# KiCad board output.Panel_R0.5.1_300x300_2layer_step1_Modified_1and5_only.kicad_pcb (continued)
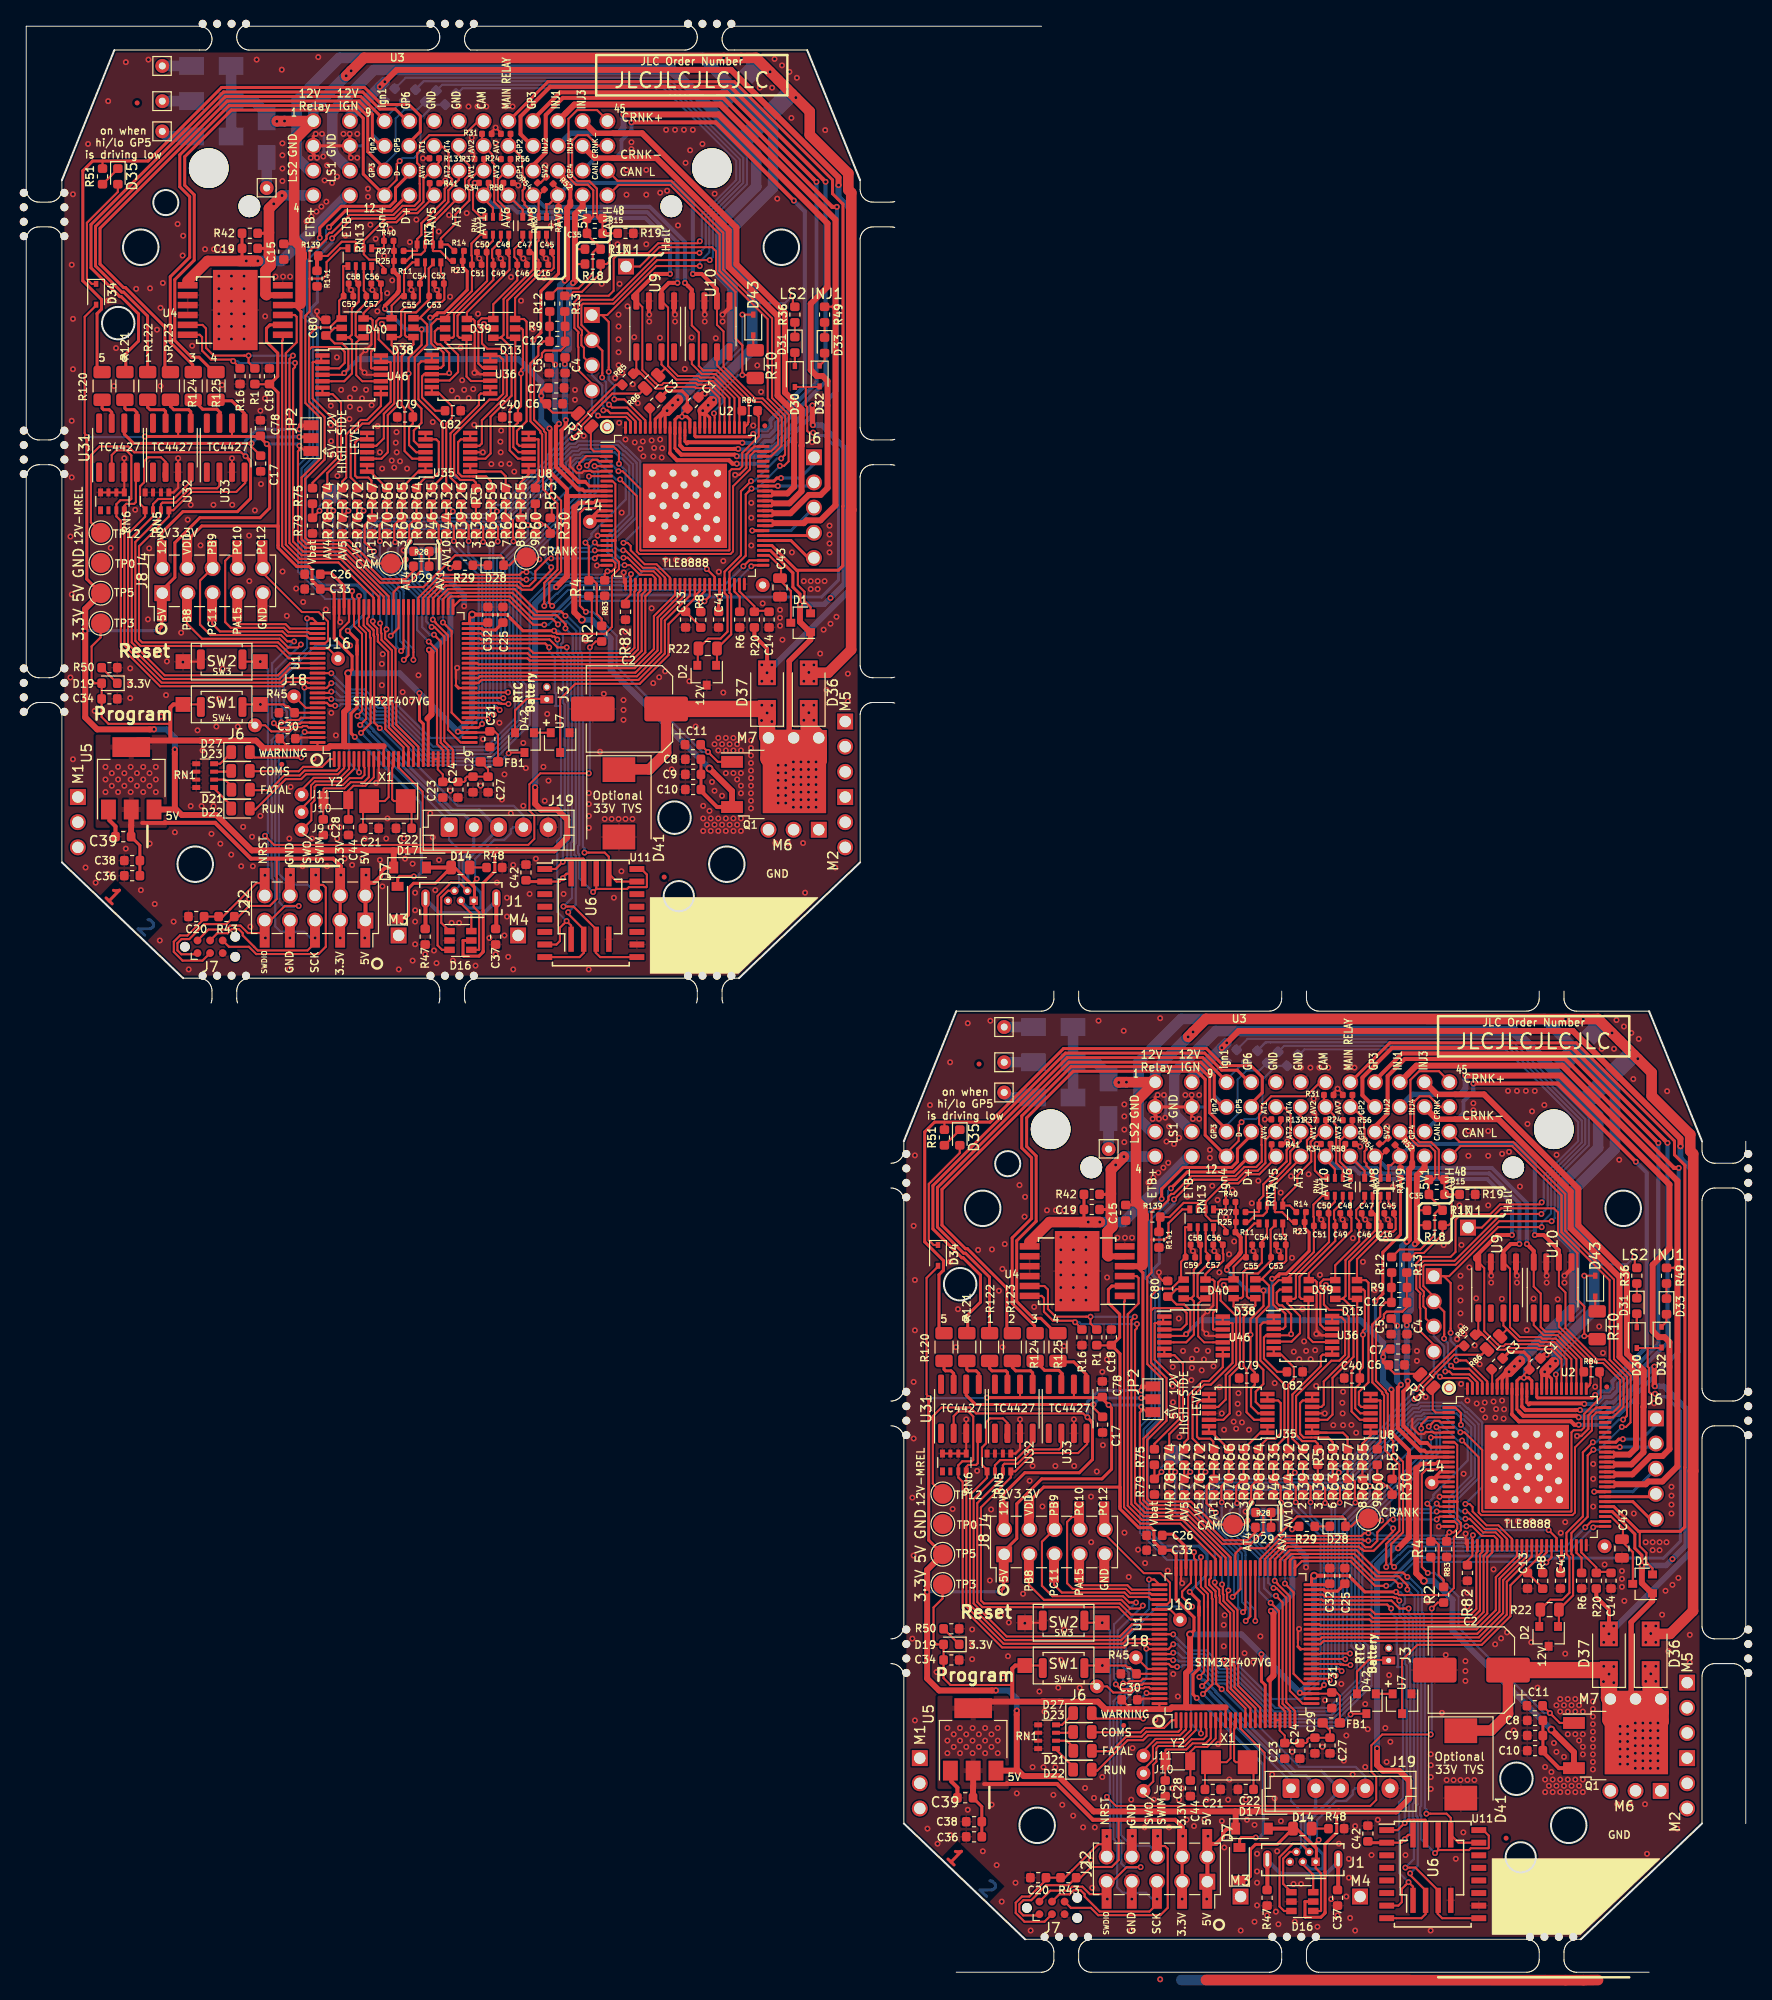
[diagram p0: board, top side]
## Placement (name value [footprint] x y rotation side) (continued)
R39  10K  [R_0603_1608Metric]  43.9 146 90 top
R39#2  10K  [R_0603_1608Metric]  128.9 49 90 top
R40  DNP  [R_0402_1005Metric]  36.59 174.74 0 top
R40#2  DNP  [R_0402_1005Metric]  121.59 77.74 0 top
R41  470K  [R_0402_1005Metric]  41.22 180.56 0 top
R41#2  470K  [R_0402_1005Metric]  126.22 83.56 0 top
R42  4.7K  [R_0603_1608Metric]  22.57 175.51 0 top
R42#2  4.7K  [R_0603_1608Metric]  107.57 78.51 0 top
R43  10K  [R_0603_1608Metric]  20.21 106.55 180 top
R43#2  10K  [R_0603_1608Metric]  105.21 9.55 180 top
R44  10K  [R_0603_1608Metric]  42.4 146 90 top
R44#2  10K  [R_0603_1608Metric]  127.4 49 90 top
R45  10K  [R_0603_1608Metric]  26.3 127.12 180 top
R45#2  10K  [R_0603_1608Metric]  111.3 30.12 180 top
R46  10K  [R_0603_1608Metric]  40.9 146 90 top
R46#2  10K  [R_0603_1608Metric]  125.9 49 90 top
R47  100K  [R_0603_1608Metric]  40.28 104.51 270 top
R47#2  100K  [R_0603_1608Metric]  125.28 7.51 270 top
R48  2.2k  [R_0603_1608Metric]  47.26 111.5 180 top
R48#2  2.2k  [R_0603_1608Metric]  132.26 14.5 180 top
R49  1k  [R_0603_1608Metric]  80.6 167.3 90 top
R49#2  1k  [R_0603_1608Metric]  165.6 70.3 90 top
R50  1k  [R_0603_1608Metric]  8.4 131.67 180 top
R50#2  1k  [R_0603_1608Metric]  93.4 34.67 180 top
R51  1k  [R_0603_1608Metric]  7.7 181.25 90 top
R51#2  1k  [R_0603_1608Metric]  92.7 84.25 90 top
R52  470K  [R_0402_1005Metric]  52.85 180.84 135 top
R52#2  470K  [R_0402_1005Metric]  137.85 83.84 135 top
R53  6.8K  [R_0603_1608Metric]  51.4 149 90 top
R53#2  6.8K  [R_0603_1608Metric]  136.4 52 90 top
R54  470K  [R_0402_1005Metric]  51.96 180.26 135 top
R54#2  470K  [R_0402_1005Metric]  136.96 83.26 135 top
R55  6.8K  [R_0603_1608Metric]  49.9 149 90 top
R55#2  6.8K  [R_0603_1608Metric]  134.9 52 90 top
R56  470K  [R_0402_1005Metric]  48.41 185.54 180 top
R56#2  470K  [R_0402_1005Metric]  133.41 88.54 180 top
R57  6.8K  [R_0603_1608Metric]  48.4 149 90 top
R57#2  6.8K  [R_0603_1608Metric]  133.4 52 90 top
R58  470K  [R_0402_1005Metric]  48.66 180.59 0 top
R58#2  470K  [R_0402_1005Metric]  133.66 83.59 0 top
R59  6.8K  [R_0603_1608Metric]  46.9 149 90 top
R59#2  6.8K  [R_0603_1608Metric]  131.9 52 90 top
R60  10K  [R_0603_1608Metric]  51.4 146 90 top
R60#2  10K  [R_0603_1608Metric]  136.4 49 90 top
R61  10K  [R_0603_1608Metric]  49.9 146 90 top
R61#2  10K  [R_0603_1608Metric]  134.9 49 90 top
R62  10K  [R_0603_1608Metric]  48.4 146 90 top
R62#2  10K  [R_0603_1608Metric]  133.4 49 90 top
R63  10K  [R_0603_1608Metric]  46.9 146 90 top
R63#2  10K  [R_0603_1608Metric]  131.9 49 90 top
R64  6.8K  [R_0603_1608Metric]  39.4 149 90 top
R64#2  6.8K  [R_0603_1608Metric]  124.4 52 90 top
R65  6.8K  [R_0603_1608Metric]  37.9 149 90 top
R65#2  6.8K  [R_0603_1608Metric]  122.9 52 90 top
R66  6.8K  [R_0603_1608Metric]  36.4 149 90 top
R66#2  6.8K  [R_0603_1608Metric]  121.4 52 90 top
R67  6.8K  [R_0603_1608Metric]  34.9 149 90 top
R67#2  6.8K  [R_0603_1608Metric]  119.9 52 90 top
R68  10K  [R_0603_1608Metric]  39.4 146 90 top
R68#2  10K  [R_0603_1608Metric]  124.4 49 90 top
R69  10K  [R_0603_1608Metric]  37.9 146 90 top
R69#2  10K  [R_0603_1608Metric]  122.9 49 90 top
R70  10K  [R_0603_1608Metric]  36.4 146 90 top
R70#2  10K  [R_0603_1608Metric]  121.4 49 90 top
R71  10K  [R_0603_1608Metric]  34.9 146 90 top
R71#2  10K  [R_0603_1608Metric]  119.9 49 90 top
R72  6.8K  [R_0603_1608Metric]  33.4 149 90 top
R72#2  6.8K  [R_0603_1608Metric]  118.4 52 90 top
R73  6.8K  [R_0603_1608Metric]  31.9 149 90 top
R73#2  6.8K  [R_0603_1608Metric]  116.9 52 90 top
R74  6.8K  [R_0603_1608Metric]  30.4 149 90 top
R74#2  6.8K  [R_0603_1608Metric]  115.4 52 90 top
R75  6.8K  [R_0603_1608Metric]  28.9 149 90 top
R75#2  6.8K  [R_0603_1608Metric]  113.9 52 90 top
R76  10K  [R_0603_1608Metric]  33.4 146 90 top
R76#2  10K  [R_0603_1608Metric]  118.4 49 90 top
R77  10K  [R_0603_1608Metric]  31.9 146 90 top
R77#2  10K  [R_0603_1608Metric]  116.9 49 90 top
R78  10K  [R_0603_1608Metric]  30.4 146 90 top
R78#2  10K  [R_0603_1608Metric]  115.4 49 90 top
R79  10K  [R_0603_1608Metric]  28.9 146 90 top
R79#2  10K  [R_0603_1608Metric]  113.9 49 90 top
R80  0R  [R_0603_1608Metric]  40.84 189.34 45 bottom
R80#2  0R  [R_0603_1608Metric]  125.84 92.34 45 bottom
R81  0R  [R_0603_1608Metric]  42.84 189.04 45 bottom
R81#2  0R  [R_0603_1608Metric]  127.84 92.04 45 bottom
R82  4.7K  [R_0603_1608Metric]  60.5 137.3 270 top
R82#2  4.7K  [R_0603_1608Metric]  145.5 40.3 270 top
R83  4.7K  [R_0603_1608Metric]  58.4 139.7 270 top
R83#2  4.7K  [R_0603_1608Metric]  143.4 42.7 270 top
R84  0R  [R_0603_1608Metric]  73.04 157.6 0 top
R84#2  0R  [R_0603_1608Metric]  158.04 60.6 0 top
R85  0R  [R_0603_1608Metric]  60.72 160.77 225 top
R85#2  0R  [R_0603_1608Metric]  145.72 63.77 225 top
R86  0R  [R_0805_2012Metric]  148.14 63.52 225 top
R86#2  0R  [R_0805_2012Metric]  63.14 160.52 225 top
R120  100  [R_1206_3216Metric]  7.66 160.1 270 top
R120#2  100  [R_1206_3216Metric]  92.66 63.1 270 top
R121  100  [R_1206_3216Metric]  9.96 160.1 270 top
R121#2  100  [R_1206_3216Metric]  94.96 63.1 270 top
R122  100  [R_1206_3216Metric]  12.26 160.1 270 top
R122#2  100  [R_1206_3216Metric]  97.26 63.1 270 top
R123  100  [R_1206_3216Metric]  14.56 160.1 270 top
R123#2  100  [R_1206_3216Metric]  99.56 63.1 270 top
R124  100  [R_1206_3216Metric]  16.86 160.1 270 top
R124#2  100  [R_1206_3216Metric]  101.86 63.1 270 top
R125  100  [R_1206_3216Metric]  19.16 160.1 270 top
R125#2  100  [R_1206_3216Metric]  104.16 63.1 270 top
R131  470K  [R_0402_1005Metric]  41.19 183.08 180 top
R131#2  470K  [R_0402_1005Metric]  126.19 86.08 180 top
R139  39k  [R_0603_1608Metric]  28.69 173.22 180 top
R139#2  39k  [R_0603_1608Metric]  113.69 76.22 180 top
R141  10K  [R_0603_1608Metric]  29.36 170.93 270 top
R141#2  10K  [R_0603_1608Metric]  114.35 73.93 270 top
RN1  1k  [R_Array_Convex_4x0603]  18.06 120.77 180 top
RN1#2  1k  [R_Array_Convex_4x0603]  103.06 23.77 180 top
RN2  10k  [R_Array_Convex_4x0603]  51.33 176.27 270 top
RN2#2  10k  [R_Array_Convex_4x0603]  136.33 79.27 270 top
RN3  10k  [R_Array_Convex_4x0603]  40.66 173.47 270 top
RN3#2  10k  [R_Array_Convex_4x0603]  125.66 76.47 270 top
RN4  10k  [R_Array_Convex_4x0603]  47.52 176.27 270 top
RN4#2  10k  [R_Array_Convex_4x0603]  132.52 79.27 270 top
RN5  10k  [R_Array_Convex_4x0603]  13.2 148.45 270 top
RN5#2  10k  [R_Array_Convex_4x0603]  98.2 51.45 270 top
RN6  10k  [R_Array_Convex_4x0603]  8.7 148.45 270 top
RN6#2  10k  [R_Array_Convex_4x0603]  93.7 51.45 270 top
RN13  10k  [R_Array_Convex_4x0603]  33.67 173.09 270 top
RN13#2  10k  [R_Array_Convex_4x0603]  118.67 76.09 270 top
SW1  SW_Push  [SW_SPST_CK_RS282G05A3]  19.73 127.96 0 top
SW1#2  SW_Push  [SW_SPST_CK_RS282G05A3]  104.73 30.96 0 top
SW2  SW_Push  [SW_SPST_CK_RS282G05A3]  19.73 132.28 180 top
SW2#2  SW_Push  [SW_SPST_CK_RS282G05A3]  104.73 35.28 180 top
SW3  SW_Push  [SW_Push_SPST_NO_Alps_SKRK]  19.73 132.5 180 top
SW3#2  SW_Push  [SW_Push_SPST_NO_Alps_SKRK]  104.73 35.5 180 top
SW4  SW_Push  [SW_Push_SPST_NO_Alps_SKRK]  19.73 127.7 0 top
SW4#2  SW_Push  [SW_Push_SPST_NO_Alps_SKRK]  104.73 30.7 0 top
TP0  GND  [TestPoint_Pad_D2.0mm]  7.54 142.23 0 top
TP0#2  GND  [TestPoint_Pad_D2.0mm]  92.54 45.23 0 top
TP1  TP  [TestPoint_Pad_D2.0mm]  30.88 149.22 0 bottom
TP1#2  TP  [TestPoint_Pad_D2.0mm]  115.88 52.22 0 bottom
TP2  TP  [TestPoint_Pad_D2.0mm]  36.82 142.18 0 top
TP2#2  TP  [TestPoint_Pad_D2.0mm]  121.82 45.18 0 top
TP3  GND  [TestPoint_Pad_D2.0mm]  7.54 136.14 0 top
TP3#2  GND  [TestPoint_Pad_D2.0mm]  92.54 39.14 0 top
TP4  TP  [TestPoint_Pad_D2.0mm]  50.5 142.8 0 top
TP4#2  TP  [TestPoint_Pad_D2.0mm]  135.5 45.8 0 top
TP5  5V  [TestPoint_Pad_D2.0mm]  7.54 139.18 0 top
TP5#2  5V  [TestPoint_Pad_D2.0mm]  92.54 42.18 0 top
TP12  5V  [TestPoint_Pad_D2.0mm]  7.54 145.28 0 top
TP12#2  5V  [TestPoint_Pad_D2.0mm]  92.54 48.28 0 top
U1  STM32F407VGT6  [LQFP-100_14x14mm_P0.5mm]  37.09 130.12 90 top
U1#2  STM32F407VGT6  [LQFP-100_14x14mm_P0.5mm]  122.09 33.12 90 top
U2  TLE8888QK  [LQFP-100_14x14mm_P0.5mm_THERMAL]  66.5 148 0 top
U2#2  TLE8888QK  [LQFP-100_14x14mm_P0.5mm_THERMAL]  151.5 51 0 top
U3  molex_48pin_MRE  [Molex_48_MRE]  28.93 186.83 0 top
U3#2  molex_48pin_MRE  [Molex_48_MRE]  113.93 89.83 0 top
U4  TLE9201SG  [Infineon_PG-DSO-12-11]  21.1 167.76 180 top
U4#2  TLE9201SG  [Infineon_PG-DSO-12-11]  106.1 70.76 180 top
U5  LM1117-3.3  [SOT-223-3_TabPin2]  10.6 120.5 90 top
U5#2  LM1117-3.3  [SOT-223-3_TabPin2]  95.6 23.5 90 top
U6  W25Q128JVSIQ  [SO-8_5.3x6.2mm_P1.27mm-150+208]  56.91 107.56 90 top
U6#2  W25Q128JVSIQ  [SO-8_5.3x6.2mm_P1.27mm-150+208]  141.91 10.56 90 top
U7  XC6206 3.3V  [SOT-23]  53.9 124.1 270 top
U7#2  XC6206 3.3V  [SOT-23]  138.9 27.1 270 top
U8  MCP6004  [TSSOP-14_4.4x5mm_P0.65mm]  47.77 153.41 180 top
U8#2  MCP6004  [TSSOP-14_4.4x5mm_P0.65mm]  132.77 56.41 180 top
U9  VNLD5090  [SO-8_3.9x4.9mm_P1.27mm]  63.5 166.1 90 top
U9#2  VNLD5090  [SO-8_3.9x4.9mm_P1.27mm]  148.5 69.1 90 top
U10  VNLD5090  [SO-8_3.9x4.9mm_P1.27mm]  69.1 166.1 90 top
U10#2  VNLD5090  [SO-8_3.9x4.9mm_P1.27mm]  154.1 69.1 90 top
U11  IS25LP256D-xM  [SOIC-16W_7.5x10.3mm_P1.27mm]  57 106.9 0 top
U11#2  IS25LP256D-xM  [SOIC-16W_7.5x10.3mm_P1.27mm]  142 9.9 0 top
U31  MIC4427  [SOIC-8_3.9x4.9mm_P1.27mm]  9.26 153.87 90 top
U31#2  MIC4427  [SOIC-8_3.9x4.9mm_P1.27mm]  94.26 56.87 90 top
U32  MIC4427  [SOIC-8_3.9x4.9mm_P1.27mm]  14.7 153.87 90 top
U32#2  MIC4427  [SOIC-8_3.9x4.9mm_P1.27mm]  99.7 56.87 90 top
U33  MIC4427  [SOIC-8_3.9x4.9mm_P1.27mm]  20.13 153.87 90 top
U33#2  MIC4427  [SOIC-8_3.9x4.9mm_P1.27mm]  105.13 56.87 90 top
U35  MCP6004  [TSSOP-14_4.4x5mm_P0.65mm]  37.36 153.41 180 top
U35#2  MCP6004  [TSSOP-14_4.4x5mm_P0.65mm]  122.36 56.41 180 top
U36  MCP6004  [TSSOP-14_4.4x5mm_P0.65mm]  43.89 161.28 0 top
U36#2  MCP6004  [TSSOP-14_4.4x5mm_P0.65mm]  128.89 64.28 0 top
U46  MCP6004  [TSSOP-14_4.4x5mm_P0.65mm]  32.85 161.22 0 top
U46#2  MCP6004  [TSSOP-14_4.4x5mm_P0.65mm]  117.85 64.22 0 top
X1  8MHz 20pF  [Crystal_SMD_5032-2Pin_5.0x3.2mm]  36.47 118.2 180 top
X1#2  8MHz 20pF  [Crystal_SMD_5032-2Pin_5.0x3.2mm]  121.47 21.2 180 top
Y2  32768 Hz  [Crystal_SMD_3215-2Pin_3.2x1.5mm]  31.26 118.3 180 top
Y2#2  32768 Hz  [Crystal_SMD_3215-2Pin_3.2x1.5mm]  116.26 21.3 180 top

## Footprints (pads in the part's own frame, mm; a bottom-side part is the same pattern mirrored in y, then rotated)
C_0402_1005Metric
  rrect 0.59x0.64 smd: 1(-0.485,0) 2(0.485,0)
C_0603_1608Metric
  rrect 0.875x0.95 smd: 1(-0.788,0) 2(0.788,0)
C_0805_2012Metric
  rrect 0.975x1.4 smd: 1(-0.938,0) 2(0.938,0)
CP_Elec_8x10.5
  rrect 4.4x2.5 smd: 1(-3.7,0) 2(3.7,0)
Crystal_SMD_3215-2Pin_3.2x1.5mm
  rect 1x1.8 smd: 1(1.25,0) 2(-1.25,0)
Crystal_SMD_5032-2Pin_5.0x3.2mm
  rect 2x2.4 smd: 1(-1.85,0) 2(1.85,0)
D_SMA
  rect 2.5x1.8 smd: 1(-2,0) 2(2,0)
D_SMC
  rect 2.5x3.3 smd: 1(-3.4,0) 2(3.4,0)
D_SOD-123
  rect 0.9x1.2 smd: 1(-1.65,0) 2(1.65,0)
D_SOD-323
  rect 0.6x0.45 smd: 1(-1.05,0) 2(1.05,0)
Fiducial_0.5mm_Mask1mm
  round 0.5 smd: (0,0)
holes
  round 0.8 hole 0.8 unplated: (0,4.376) (0,2.917) (0,1.459) (0,0)
holes#2
  round 0.8 hole 0.8 unplated: (0,0) (1.459,0) (2.917,0) (4.376,0)
holes#3
  round 0.8 hole 0.8 unplated: (0,0) (0,-1.458) (0,-2.917) (0,-4.375)
Infineon_PG-DSO-12-11
  rect 1.95x1.16 smd: (-1.125,2.92) (-1.125,1.46) (-1.125,0) (-1.125,-1.46) (-1.125,-2.92) (1.125,2.92) (1.125,1.46) (1.125,0) (1.125,-1.46) (1.125,-2.92)
  rect 2x0.65 smd: 1(-4.8,2.5) 2(-4.8,1.5) 3(-4.8,0.5) 4(-4.8,-0.5) 5(-4.8,-1.5) 6(-4.8,-2.5) 7(4.8,-2.5) 8(4.8,-1.5) 9(4.8,-0.5) 10(4.8,0.5) 11(4.8,1.5) 12(4.8,2.5)
  rect 4.5x8.1 smd: 13(0,0)
JST_EH_B5B-EH-A_1x05_P2.50mm_Vertical
  rrect 1.7x1.95 hole 0.95: 1(0,0)
  oval 1.7x1.95 hole 0.95: 2(2.5,0) 3(5,0) 4(7.5,0) 5(10,0)
LED_0603_1608Metric
  rrect 0.875x0.95 smd: 1(-0.787,0) 2(0.787,0)
LED_0805_2012Metric
  rrect 0.975x1.4 smd: 1(-0.938,0) 2(0.938,0)
LQFP-100_14x14mm_P0.5mm
  rrect 1.6x0.3 smd: 1(-7.675,6) 2(-7.675,5.5) 3(-7.675,5) 4(-7.675,4.5) 5(-7.675,4) 6(-7.675,3.5) 7(-7.675,3) 8(-7.675,2.5) 9(-7.675,2) 10(-7.675,1.5) 11(-7.675,1) 12(-7.675,0.5) 13(-7.675,0) 14(-7.675,-0.5) 15(-7.675,-1) 16(-7.675,-1.5) 17(-7.675,-2) 18(-7.675,-2.5) 19(-7.675,-3) 20(-7.675,-3.5) 21(-7.675,-4) 22(-7.675,-4.5) 23(-7.675,-5) 24(-7.675,-5.5) 25(-7.675,-6) 51(7.675,-6) 52(7.675,-5.5) 53(7.675,-5) 54(7.675,-4.5) 55(7.675,-4) 56(7.675,-3.5) 57(7.675,-3) 58(7.675,-2.5) 59(7.675,-2) 60(7.675,-1.5) 61(7.675,-1) 62(7.675,-0.5) 63(7.675,0) 64(7.675,0.5) 65(7.675,1) 66(7.675,1.5) 67(7.675,2) 68(7.675,2.5) 69(7.675,3) 70(7.675,3.5) 71(7.675,4) 72(7.675,4.5) 73(7.675,5) 74(7.675,5.5) 75(7.675,6)
  rrect 0.3x1.6 smd: 26(-6,-7.675) 27(-5.5,-7.675) 28(-5,-7.675) 29(-4.5,-7.675) 30(-4,-7.675) 31(-3.5,-7.675) 32(-3,-7.675) 33(-2.5,-7.675) 34(-2,-7.675) 35(-1.5,-7.675) 36(-1,-7.675) 37(-0.5,-7.675) 38(0,-7.675) 39(0.5,-7.675) 40(1,-7.675) 41(1.5,-7.675) 42(2,-7.675) 43(2.5,-7.675) 44(3,-7.675) 45(3.5,-7.675) 46(4,-7.675) 47(4.5,-7.675) 48(5,-7.675) 49(5.5,-7.675) 50(6,-7.675) 76(6,7.675) 77(5.5,7.675) 78(5,7.675) 79(4.5,7.675) 80(4,7.675) 81(3.5,7.675) 82(3,7.675) 83(2.5,7.675) 84(2,7.675) 85(1.5,7.675) 86(1,7.675) 87(0.5,7.675) 88(0,7.675) 89(-0.5,7.675) 90(-1,7.675) 91(-1.5,7.675) 92(-2,7.675) 93(-2.5,7.675) 94(-3,7.675) 95(-3.5,7.675) 96(-4,7.675) 97(-4.5,7.675) 98(-5,7.675) 99(-5.5,7.675) 100(-6,7.675)
LQFP-100_14x14mm_P0.5mm_THERMAL
  rrect 1.25x0.3 smd: 1(-7.9,6) 2(-7.9,5.5) 3(-7.9,5) 4(-7.9,4.5) 5(-7.9,4) 6(-7.9,3.5) 7(-7.9,3) 8(-7.9,2.5) 9(-7.9,2) 10(-7.9,1.5) 11(-7.9,1) 12(-7.9,0.5) 13(-7.9,0) 14(-7.9,-0.5) 15(-7.9,-1) 16(-7.9,-1.5) 17(-7.9,-2) 18(-7.9,-2.5) 19(-7.9,-3) 20(-7.9,-3.5) 21(-7.9,-4) 22(-7.9,-4.5) 23(-7.9,-5) 24(-7.9,-5.5) 25(-7.9,-6) 51(7.9,-6) 52(7.9,-5.5) 53(7.9,-5) 54(7.9,-4.5) 55(7.9,-4) 56(7.9,-3.5) 57(7.9,-3) 58(7.9,-2.5) 59(7.9,-2) 60(7.9,-1.5) 61(7.9,-1) 62(7.9,-0.5) 63(7.9,0) 64(7.9,0.5) 65(7.9,1) 66(7.9,1.5) 67(7.9,2) 68(7.9,2.5) 69(7.9,3) 70(7.9,3.5) 71(7.9,4) 72(7.9,4.5) 73(7.9,5) 74(7.9,5.5) 75(7.9,6)
  rrect 0.3x1.25 smd: 26(-6,-7.9) 27(-5.5,-7.9) 28(-5,-7.9) 29(-4.5,-7.9) 30(-4,-7.9) 31(-3.5,-7.9) 32(-3,-7.9) 33(-2.5,-7.9) 34(-2,-7.9) 35(-1.5,-7.9) 36(-1,-7.9) 37(-0.5,-7.9) 38(0,-7.9) 39(0.5,-7.9) 40(1,-7.9) 41(1.5,-7.9) 42(2,-7.9) 43(2.5,-7.9) 44(3,-7.9) 45(3.5,-7.9) 46(4,-7.9) 47(4.5,-7.9) 48(5,-7.9) 49(5.5,-7.9) 50(6,-7.9) 76(6,7.9) 77(5.5,7.9) 78(5,7.9) 79(4.5,7.9) 80(4,7.9) 81(3.5,7.9) 82(3,7.9) 83(2.5,7.9) 84(2,7.9) 85(1.5,7.9) 86(1,7.9) 87(0.5,7.9) 88(0,7.9) 89(-0.5,7.9) 90(-1,7.9) 91(-1.5,7.9) 92(-2,7.9) 93(-2.5,7.9) 94(-3,7.9) 95(-3.5,7.9) 96(-4,7.9) 97(-4.5,7.9) 98(-5,7.9) 99(-5.5,7.9) 100(-6,7.9)
  round 1 hole 0.7: 101(-3.302,3.302) 101(-3.302,1.016) 101(-3.302,-1.27) 101(-3.302,-3.302) 101(-2.2,0) 101(-2.032,2.032) 101(-2.032,-2.032) 101(-1.2,3.3) 101(-1.2,-3.302) 101(-0.986,1.011) 101(-0.897,-0.968) 101(-0.1,2.1) 101(0,-2.25) 101(0.17,0.023) 101(1,3.3) 101(1.125,1.074) 101(1.2,-3.35) 101(1.29,-1.107) 101(2.2,2.2) 101(2.2,0) 101(2.2,-2.25) 101(3.2,-1.4) 101(3.3,1.1) 101(3.302,3.302) 101(3.302,-3.302)
  rect 8.5x8.5 smd: 101(0,0)
  rect 8.5x8.5 smd far side: 101(0,0)
Molex_48_MRE
  round 4 hole 4: (-10.511,-4.753) (40.289,-4.753)
  round 2.2 hole 2.2: (-6.411,-8.603) (36.189,-8.603)
  round 1.6 hole 1.15: 1(0.039,-0.003) 2(0.039,-2.503) 3(0.039,-5.003) 4(0.039,-7.503) 5(3.739,-0.003) 6(3.739,-2.503) 7(3.739,-5.003) 8(3.739,-7.503) 9(7.239,-0.003) 10(7.239,-2.503) 11(7.239,-5.003) 12(7.239,-7.503) 13(9.739,-0.003) 14(9.739,-2.503) 15(9.739,-5.003) 16(9.739,-7.503) 17(12.239,-0.003) 18(12.239,-2.503) 19(12.239,-5.003) 20(12.239,-7.503) 21(14.739,-0.003) 22(14.739,-2.503) 23(14.739,-5.003) 24(14.739,-7.503) 25(17.239,-0.003) 26(17.239,-2.503) 27(17.239,-5.003) 28(17.239,-7.503) 29(19.739,-0.003) 30(19.739,-2.503) 31(19.739,-5.003) 32(19.739,-7.503) 33(22.239,-0.003) 34(22.239,-2.503) 35(22.239,-5.003) 36(22.239,-7.503) 37(24.739,-0.003) 38(24.739,-2.503) 39(24.739,-5.003) 40(24.739,-7.503) 41(27.239,-0.003) 42(27.239,-2.503) 43(27.239,-5.003) 44(27.239,-7.503) 45(29.739,-0.003) 46(29.739,-2.503) 47(29.739,-5.003) 48(29.739,-7.503) J52(28.169,-22.121) J53(28.169,-24.661) J54(28.169,-27.201) J62(50.59,-36.474) J63(50.59,-39.014) J64(50.59,-41.554) J65(50.59,-44.094) J202(5.304,-78.153) J203(2.764,-80.693) J204(2.764,-78.153) J205(0.224,-80.693) J206(0.224,-78.153) J207(-2.316,-80.693) J208(-2.316,-78.153) J209(-4.856,-80.693) J210(-4.856,-78.153) J802(-15.202,-45.11) J803(-12.662,-47.65) J804(-12.662,-45.11) J805(-10.122,-47.65) J806(-10.122,-45.11) J807(-7.582,-47.65) J808(-7.582,-45.11) J809(-5.042,-47.65) J810(-5.042,-45.11) M12(-23.724,-70.764) M13(-23.724,-73.304) M22(53.746,-70.764) M23(53.746,-73.304) M52(53.746,-63.144) M53(53.746,-65.684) M62(48.539,-71.526) M63(45.999,-71.526) M72(48.539,-62.255) M73(45.999,-62.255)
  round 1.4 hole 0.7: J6(-5.842,-60.985) J9(-1.143,-71.526) J10(-1.143,-69.748) J11(-1.143,-67.97) J14(27.965,-40.434) J16(2.54,-54.254) J18(-1.905,-58.064)
  rect 1.3x0.8 hole 0.5: J31(23.622,-58.369)
  round 1.3 hole 0.5: J32(23.622,-57.125)
  rect 1.6x1.6 hole 1.15: J51(28.169,-19.581) J61(50.59,-33.934) J201(5.304,-80.693) J801(-15.202,-47.65) LIN1(31.623,-14.681) M3(8.661,-82.194) M4(20.726,-82.194) M11(-23.724,-68.224) M21(53.746,-68.224) M51(53.746,-60.604) M61(51.079,-71.526) M71(51.079,-62.255)
Net-Tie_2_8.5mil
  round 0.216 smd: 1(-0.216,0) 2(0.216,0)
NetTie-2_SMD_Pad0.5mm
  round 0.5 smd: 1(-0.5,0) 2(0.5,0)
Pin_D0.7mm_L6.5mm_W1.8mm_FlatFork
  round 1.4 hole 0.7: 1(0,0)
PinHeader_2x05_P2.54mm_Vertical_SMD
  rect 3.15x1 smd: 1(-2.525,5.08) 2(2.525,5.08) 3(-2.525,2.54) 4(2.525,2.54) 5(-2.525,0) 6(2.525,0) 7(-2.525,-2.54) 8(2.525,-2.54) 9(-2.525,-5.08) 10(2.525,-5.08)
PinSocket_2x05_P2.54mm_Vertical_SMD
  rect 3x1 smd: 1(2.52,5.08) 2(-2.52,5.08) 3(2.52,2.54) 4(-2.52,2.54) 5(2.52,0) 6(-2.52,0) 7(2.52,-2.54) 8(-2.52,-2.54) 9(2.52,-5.08) 10(-2.52,-5.08)
R_0402_1005Metric
  rrect 0.59x0.64 smd: 1(-0.485,0) 2(0.485,0)
R_0603_1608Metric
  rrect 0.875x0.95 smd: 1(-0.787,0) 2(0.787,0)
R_0603_1608Metric_Pad1.05x0.95mm_HandSolder
  rrect 1.05x0.95 smd: 1(-0.875,0) 2(0.875,0)
R_0805_2012Metric
  rrect 0.975x1.4 smd: 1(-0.938,0) 2(0.938,0)
R_1206_3216Metric
  rrect 1.25x1.75 smd: 1(-1.4,0) 2(1.4,0)
R_Array_Convex_4x0603
  rect 0.8x0.5 smd: 1(-0.9,1.2) 4(-0.9,-1.2) 5(0.9,-1.2) 8(0.9,1.2)
  rect 0.8x0.4 smd: 2(-0.9,0.4) 3(-0.9,-0.4) 6(0.9,-0.4) 7(0.9,0.4)
SO-8_3.9x4.9mm_P1.27mm
  rrect 1.75x0.6 smd: 1(-2.575,1.905) 2(-2.575,0.635) 3(-2.575,-0.635) 4(-2.575,-1.905) 5(2.575,-1.905) 6(2.575,-0.635) 7(2.575,0.635) 8(2.575,1.905)
SO-8_5.3x6.2mm_P1.27mm-150+208
  rect 2.54x0.55 smd: 1(-3.302,1.905) 2(-3.302,0.635) 3(-3.302,-0.635) 4(-3.302,-1.905) 5(3.302,-1.905) 6(3.302,-0.635) 7(3.302,0.635) 8(3.302,1.905)
SOIC-8_3.9x4.9mm_P1.27mm
  rrect 1.95x0.6 smd: 1(-2.475,1.905) 2(-2.475,0.635) 3(-2.475,-0.635) 4(-2.475,-1.905) 5(2.475,-1.905) 6(2.475,-0.635) 7(2.475,0.635) 8(2.475,1.905)
SOIC-16W_7.5x10.3mm_P1.27mm
  rect 1.5x0.6 smd: 1(-4.65,4.445) 2(-4.65,3.175) 3(-4.65,1.905) 4(-4.65,0.635) 5(-4.65,-0.635) 6(-4.65,-1.905) 7(-4.65,-3.175) 8(-4.65,-4.445) 9(4.65,-4.445) 10(4.65,-3.175) 11(4.65,-1.905) 12(4.65,-0.635) 13(4.65,0.635) 14(4.65,1.905) 15(4.65,3.175) 16(4.65,4.445)
SolderJumper-3_P1.3mm_Open_Pad1.0x1.5mm
  rect 1x1.5 smd: 1(-1.3,0) 2(0,0) 3(1.3,0)
SOT-23
  rect 0.9x0.8 smd: 1(-1,0.95) 2(-1,-0.95) 3(1,0)
SOT-23-6
  rect 1.06x0.65 smd: 1(-1.1,0.95) 2(-1.1,0) 3(-1.1,-0.95) 4(1.1,-0.95) 5(1.1,0) 6(1.1,0.95)
SOT-223-3_TabPin2
  rect 2x1.5 smd: 1(-3.15,2.3) 2(-3.15,0) 3(-3.15,-2.3)
  rect 2x3.8 smd: 2(3.15,0)
SW_Push_SPST_NO_Alps_SKRK
  rrect 0.8x2 smd: 1(-2.1,0) 2(2.1,0)
SW_SPST_CK_RS282G05A3
  rect 1.5x1.5 smd: 1(-3.9,0) 2(3.9,0)
Tag-Connect_TC2030-IDC-NL_2x03_P1.27mm_Vertical
  round 0.991 hole 0.991 unplated: (-2.54,0) (2.54,1.016) (2.54,-1.016)
  round 0.787 smd: 1(-1.27,-0.635) 2(-1.27,0.635) 3(0,-0.635) 4(0,0.635) 5(1.27,-0.635) 6(1.27,0.635)
TestPoint_Pad_D2.0mm
  round 2 smd: 1(0,0)
TO-252-2
  rect 3.05x2.75 smd: (0.425,1.525) (0.425,-1.525) (3.775,1.525) (3.775,-1.525)
  rect 2.2x1.2 smd: 1(-4.2,2.28) 3(-4.2,-2.28)
  rect 6.4x5.8 smd: 2(2.1,0)
TSSOP-14_4.4x5mm_P0.65mm
  rect 1.45x0.45 smd: 1(-2.95,1.95) 2(-2.95,1.3) 3(-2.95,0.65) 4(-2.95,0) 5(-2.95,-0.65) 6(-2.95,-1.3) 7(-2.95,-1.95) 8(2.95,-1.95) 9(2.95,-1.3) 10(2.95,-0.65) 11(2.95,0) 12(2.95,0.65) 13(2.95,1.3) 14(2.95,1.95)
USB_Micro-B_Wuerth_614105150721_Vertical
  rect 0.84x0.84 hole 0.44: 1(0,0)
  round 0.84 hole 0.44: 2(0.65,-1) 3(1.3,0) 4(1.95,-1) 5(2.6,0)
  oval 0.85x1.85 hole 0.35x1.35: 6(-2.275,-0.22) 6(4.875,-0.22)

## Nets
/5V: C6.1 C6#2.1 C7.1 C7#2.1 C40.1 C40#2.1 C41.1 C41#2.1 C78.1 C78#2.1 C79.1 C79#2.1 C80.1 C80#2.1 C82.1 C82#2.1 D13.5 D13#2.5 D16.5 D16#2.5 D17.1 D17#2.1 D29.2 D29#2.2 D30.2 D30#2.2 D32.2 D32#2.2 D34.2 D34#2.2 D38.5 D38#2.5 D39.5 D39#2.5 D40.5 D40#2.5 J2.1 J2.2 J2#2.1 J2#2.2 J4.1 J4#2.1 JP2.1 JP2#2.1 R3.2 R3#2.2 R7.1 R7#2.1 R11.2 R11#2.2 R14.2 R14#2.2 R23.2 R23#2.2 R25.2 R25#2.2 R27.2 R27#2.2 R40.2 R40#2.2 TP5.1 TP5#2.1 U2.11 U2.45 U2#2.11 U2#2.45 U3.J201 U3.J202 U3.J801 U3#2.J201 U3#2.J202 U3#2.J801 U5.3 U5#2.3 U8.4 U8#2.4 U32.6 U32#2.6 U33.6 U33#2.6 U35.4 U35#2.4 U36.4 U36#2.4 U46.4 U46#2.4
/5V1: C4.1 C4#2.1 R17.1 R17#2.1 R18.1 R18#2.1 U2.9 U2#2.9 U3.44 U3#2.44
/5V2: C5.1 C5#2.1 U2.10 U2#2.10 U3.39 U3#2.39
/12V_KEY: D37.2 D37#2.2 R20.2 R20#2.2 U3.5 U3#2.5
/12V_MREL: C15.1 C15#2.1 D3.1 D3#2.1 D4.1 D4#2.1 D5.1 D5#2.1 D6.1 D6#2.1 D15.1 D15#2.1 D20.1 D20#2.1 D36.2 D36#2.2 J4.2 J4#2.2 JP2.3 JP2#2.3 R139.2 R139#2.2 TP12.1 TP12#2.1 U3.1 U3.J802 U3#2.1 U3#2.J802 U4.4 U4#2.4
/12V_SAFE: C1.1 C1#2.1 C2.1 C2#2.1 C3.1 C3#2.1 D1.1 D1#2.1 D36.1 D36#2.1 D37.1 D37#2.1 D41.1 D41#2.1 D43.2 D43#2.2 Q1.2 Q1#2.2 U2.54 U2.87 U2.90 U2#2.54 U2#2.87 U2#2.90 U3.M71 U3.M72 U3.M73 U3#2.M71 U3#2.M72 U3#2.M73
/ADC/AGND: NT3.2 NT3#2.2 R38.1 R38#2.1 R39.1 R39#2.1 R44.1 R44#2.1 R46.1 R46#2.1 R60.1 R60#2.1 R61.1 R61#2.1 R62.1 R62#2.1 R63.1 R63#2.1 R68.1 R68#2.1 R69.1 R69#2.1 R70.1 R70#2.1 R71.1 R71#2.1 R76.1 R76#2.1 R77.1 R77#2.1 R78.1 R78#2.1 R79.1 R79#2.1 U1.20 U1#2.20
/ADC/AV11_MCU: R75.1 R75#2.1 R79.2 R79#2.2 TP1.1 TP1#2.1
/AV1: R37.1 R37#2.1 RN4.4 RN4#2.4 U3.27 U3#2.27
/AV1_MCU: R35.1 R35#2.1 R46.2 R46#2.2 U1.15 U1#2.15
/AV2: R31.1 R31#2.1 RN4.2 RN4#2.2 U3.26 U3#2.26
/AV2_MCU: R26.1 R26#2.1 R39.2 R39#2.2 U1.31 U1#2.31
/AV3: R24.1 R24#2.1 RN4.1 RN4#2.1 U3.31 U3#2.31
/AV3_MCU: R5.1 R5#2.1 R38.2 R38#2.2 U1.32 U1#2.32
/AV4: D7.2 D7#2.2 R11.1 R11#2.1 R131.1 R131#2.1 RN13.2 RN13#2.2 U3.19 U3#2.19
/AV4_MCU: R73.1 R73#2.1 R77.2 R77#2.2 U1.17 U1#2.17
/AV5: R40.1 R40#2.1 R41.1 R41#2.1 RN13.1 RN13#2.1 U3.20 U3#2.20
/AV5_MCU: R72.1 R72#2.1 R76.2 R76#2.2 U1.18 U1#2.18
/AV6: R58.1 R58#2.1 RN2.4 RN2#2.4 U2.78 U2#2.78 U3.32 U3#2.32 U9.6 U9#2.6
/AV6_MCU: R59.1 R59#2.1 R63.2 R63#2.2 R86.2 R86#2.2 U1.33 U1#2.33
/AV7: R56.1 R56#2.1 RN2.3 RN2#2.3 U3.30 U3#2.30
/AV7_MCU: R57.1 R57#2.1 R62.2 R62#2.2 U1.34 U1#2.34
/AV8: R54.1 R54#2.1 RN2.2 RN2#2.2 U2.76 U2#2.76 U3.36 U3#2.36 U10.8 U10#2.8
/AV8_MCU: R55.1 R55#2.1 R61.2 R61#2.2 R84.2 R84#2.2 U1.35 U1#2.35
/AV9: R7.2 R7#2.2 R52.1 R52#2.1 RN2.1 RN2#2.1 U2.73 U2#2.73 U3.40 U3#2.40 U10.6 U10#2.6
/AV9_MCU: R30.2 R30#2.2 R53.1 R53#2.1 R60.2 R60#2.2 U1.36 U1#2.36
/AV10: R34.1 R34#2.1 RN4.3 RN4#2.3 U2.80 U2#2.80 U3.28 U3#2.28 U9.8 U9#2.8
/AV10_MCU: R32.1 R32#2.1 R44.2 R44#2.2 R85.2 R85#2.2 U1.29 U1#2.29
/MCU/VBAT: D42.1 D42#2.1 U7.2 U7#2.2
/MCU/VDDA: C23.2 C23#2.2 C24.2 C24#2.2 C27.2 C27#2.2 C29.2 C29#2.2 FB1.2 FB1#2.2 U1.21 U1.22 U1#2.21 U1#2.22
/TLE8888-1QK/5V_STBY: C13.1 C13#2.1 R8.1 R8#2.1 U2.40 U2.41 U2#2.40 U2#2.41 U7.3 U7#2.3
/TLE8888-1QK/V6GATE: C11.1 C11#2.1 Q1.1 Q1#2.1 U2.13 U2#2.13
/TLE8888-1QK/V6V: C8.1 C8#2.1 C9.1 C9#2.1 C10.1 C10#2.1 Q1.3 Q1#2.3 U2.12 U2#2.12
/Vbat_MCU: R74.1 R74#2.1 R78.2 R78#2.2 U1.16 U1#2.16
/VDD: C18.1 C18#2.1 C30.2 C30#2.2 C31.2 C31#2.2 C32.2 C32#2.2 C33.2 C33#2.2 C34.2 C34#2.2 C36.2 C36#2.2 C38.1 C38#2.1 C39.2 C39#2.2 C42.2 C42#2.2 D19.2 D19#2.2 FB1.1 FB1#2.1 J2.3 J2.4 J2#2.3 J2#2.4 J4.4 J4#2.4 J7.1 J7#2.1 R1.1 R1#2.1 R4.1 R4#2.1 R43.1 R43#2.1 SW1.1 SW1#2.1 SW4.1 SW4#2.1 TP3.1 TP3#2.1 U1.11 U1.19 U1.28 U1.50 U1.75 U1.100 U1#2.11 U1#2.19 U1#2.28 U1#2.50 U1#2.75 U1#2.100 U2.8 U2.20 U2#2.8 U2#2.20 U3.J203 U3.J204 U3.J804 U3#2.J203 U3#2.J204 U3#2.J804 U4.2 U4#2.2 U5.2 U5#2.2 U6.8 U6#2.8 U11.2 U11#2.2
GND: C1.2 C1#2.2 C2.2 C2#2.2 C4.2 C4#2.2 C5.2 C5#2.2 C6.2 C6#2.2 C7.2 C7#2.2 C8.2 C8#2.2 C9.2 C9#2.2 C10.2 C10#2.2 C11.2 C11#2.2 C13.2 C13#2.2 C14.2 C14#2.2 C15.2 C15#2.2 C16.2 C16#2.2 C17.2 C17#2.2 C18.2 C18#2.2 C20.1 C20#2.1 C21.2 C21#2.2 C22.2 C22#2.2 C23.1 C23#2.1 C24.1 C24#2.1 C25.2 C25#2.2 C26.2 C26#2.2 C27.1 C27#2.1 C28.2 C28#2.2 C29.1 C29#2.1 C30.1 C30#2.1 C31.1 C31#2.1 C32.1 C32#2.1 C33.1 C33#2.1 C34.1 C34#2.1 C36.1 C36#2.1 C37.2 C37#2.2 C38.2 C38#2.2 C39.1 C39#2.1 C40.2 C40#2.2 C41.2 C41#2.2 C42.1 C42#2.1 C43.2 C43#2.2 C44.1 C44#2.1 C45.2 C45#2.2 C46.2 C46#2.2 C47.2 C47#2.2 C48.2 C48#2.2 C49.2 C49#2.2 C50.2 C50#2.2 C51.2 C51#2.2 C52.2 C52#2.2 C53.2 C53#2.2 C54.2 C54#2.2 C55.2 C55#2.2 C56.2 C56#2.2 C57.2 C57#2.2 C58.2 C58#2.2 C59.2 C59#2.2 C78.2 C78#2.2 C79.2 C79#2.2 C80.2 C80#2.2 C82.2 C82#2.2 D2.3 D2#2.3 D13.2 D13#2.2 D16.2 D16#2.2 D38.2 D38#2.2 D39.2 D39#2.2 D40.2 D40#2.2 D41.2 D41#2.2 J1.5 J1#2.5 J2.7 J2.8 J2#2.7 J2#2.8 J4.9 J4#2.9 J7.5 J7#2.5 J19.5 J19#2.5 NT2.1 NT2#2.1 NT3.1 NT3#2.1 R6.1 R6#2.1 R16.2 R16#2.2 R19.1 R19#2.1 R24.2 R24#2.2 R29.2 R29#2.2 R31.2 R31#2.2 R34.2 R34#2.2 R37.2 R37#2.2 R41.2 R41#2.2 R45.2 R45#2.2 R47.2 R47#2.2 R48.1 R48#2.1 R50.1 R50#2.1 R52.2 R52#2.2 R54.2 R54#2.2 R56.2 R56#2.2 R58.2 R58#2.2 R82.2 R82#2.2 R83.2 R83#2.2 R131.2 R131#2.2 R141.2 R141#2.2 RN1.5 RN1.6 RN1.7 RN1.8 RN1#2.5 RN1#2.6 RN1#2.7 RN1#2.8 RN5.1 RN5.2 RN5.3 RN5.4 RN5#2.1 RN5#2.2 RN5#2.3 RN5#2.4 RN6.1 RN6.2 RN6.3 RN6.4 RN6#2.1 RN6#2.2 RN6#2.3 RN6#2.4 SW2.2 SW2#2.2 SW3.2 SW3#2.2 TP0.1 TP0#2.1 U1.10 U1.27 U1.74 U1.99 U1#2.10 U1#2.27 U1#2.74 U1#2.99 U2.6 U2.19 U2.25 U2.26 U2.50 U2.75 U2.100 U2.101 U2#2.6 U2#2.19 U2#2.25 U2#2.26 U2#2.50 U2#2.75 U2#2.100 U2#2.101 U3.2 U3.6 U3.17 U3.21 U3.J32 U3.J207 U3.J208 U3.J809 U3#2.2 U3#2.6 U3#2.17 U3#2.21 U3#2.J32 U3#2.J207 U3#2.J208 U3#2.J809 U4.6 U4.8 U4.9 U4.10 U4.13 U4#2.6 U4#2.8 U4#2.9 U4#2.10 U4#2.13 U5.1 U5#2.1 U6.4 U6#2.4 U7.1 U7#2.1 U8.11 U8#2.11 U9.5 U9.7 U9#2.5 U9#2.7 U10.5 U10.7 U10#2.5 U10#2.7 U11.10 U11#2.10 U31.3 U31#2.3 U32.3 U32#2.3 U33.3 U33#2.3 U35.11 U35#2.11 U36.11 U36#2.11 U46.11 U46#2.11
/AT1: R27.1 R27#2.1 RN3.4 RN3#2.4 U3.18 U3#2.18
/AT1_MCU: R67.1 R67#2.1 R71.2 R71#2.2 U1.23 U1#2.23
/AT2: R25.1 R25#2.1 RN3.3 RN3#2.3 U3.23 U3#2.23
/AT2_MCU: R66.1 R66#2.1 R70.2 R70#2.2 U1.24 U1#2.24
/AT3: R23.1 R23#2.1 RN3.2 RN3#2.2 U3.24 U3#2.24
/AT3_MCU: R65.1 R65#2.1 R69.2 R69#2.2 U1.25 U1#2.25
/AT4: R14.1 R14#2.1 RN3.1 RN3#2.1 U3.22 U3#2.22
/AT4_MCU: R64.1 R64#2.1 R68.2 R68#2.2 U1.26 U1#2.26
/CAM_MCU: C59.1 C59#2.1 D40.4 D40#2.4 RN13.5 RN13#2.5 TP2.1 TP2#2.1 U1.30 U1#2.30 U46.3 U46#2.3
/CAM_SENSOR: R28.1 R28#2.1 RN13.4 RN13#2.4 U3.25 U3#2.25
/CANH: D2.2 D2#2.2 R22.1 R22#2.1 U2.46 U2#2.46 U3.48 U3#2.48
/CANL: D2.1 D2#2.1 R22.2 R22#2.2 U2.47 U2#2.47 U3.47 U3#2.47
/CRANK: D28.2 D28#2.2 TP4.1 TP4#2.1 U1.63 U1#2.63 U2.21 U2#2.21
/CRNK+: C35.1 C35#2.1 R12.1 R12#2.1 R15.1 R15#2.1 R17.2 R17#2.2 U3.45 U3#2.45
/CRNK-: C35.2 C35#2.2 R13.1 R13#2.1 R15.2 R15#2.2 R18.2 R18#2.2 R19.2 R19#2.2 U3.46 U3#2.46
/CS_TLE: U1.86 U1#2.86 U2.3 U2#2.3
/E-THROTTLE+: C19.2 C19#2.2 R42.2 R42#2.2 U3.4 U3#2.4 U4.5 U4#2.5
/E-THROTTLE-: C19.1 C19#2.1 R42.1 R42#2.1 U3.8 U3#2.8 U4.7 U4#2.7
/FlashMemory/CS: U1.46 U1#2.46 U6.1 U6#2.1 U11.7 U11#2.7
/FlashMemory/HOLD: U1.48 U1#2.48 U6.7 U6#2.7 U11.1 U11#2.1
/GP1: U2.91 U2#2.91 U3.35 U3#2.35
/GP2: U2.89 U2#2.89 U3.34 U3#2.34
/GP3: U2.88 U2#2.88 U3.33 U3#2.33
/GP4: U2.86 U2#2.86 U3.43 U3#2.43
/GP5: R51.2 R51#2.2 R120.1 R120#2.1 U3.14 U3#2.14
/GP6: R121.1 R121#2.1 U3.13 U3#2.13
/H-BRIDGE/DIR: U1.67 U1#2.67 U4.1 U4#2.1
/H-BRIDGE/DIS: R1.2 R1#2.2 U1.65 U1#2.65 U4.11 U4#2.11
/hi-lo/GP5_MCU: RN6.7 RN6#2.7 U1.88 U1#2.88 U31.2 U31#2.2
/hi-lo/GP6_MCU: RN6.8 RN6#2.8 U1.87 U1#2.87 U31.4 U31#2.4
/hi-lo/Ign1_MCU: RN5.5 RN5#2.5 U1.85 U1#2.85 U32.2 U32#2.2
/hi-lo/Ign2_MCU: RN5.6 RN5#2.6 U1.84 U1#2.84 U32.4 U32#2.4
/hi-lo/Ign3_MCU: RN5.7 RN5#2.7 U1.83 U1#2.83 U33.2 U33#2.2
/hi-lo/Ign4_MCU: RN5.8 RN5#2.8 U1.82 U1#2.82 U33.4 U33#2.4
/Ign1: R21.1 R21#2.1 R122.1 R122#2.1 U3.9 U3#2.9
/Ign2: R33.1 R33#2.1 R123.1 R123#2.1 U3.10 U3#2.10
/Ign3: R80.1 R80#2.1 R124.1 R124#2.1 U3.11 U3#2.11
/Ign4: R81.1 R81#2.1 R125.1 R125#2.1 U3.12 U3#2.12
/INJECTOR-1: R49.2 R49#2.2 U2.59 U2.60 U2#2.59 U2#2.60 U3.37 U3#2.37
/INJECTOR-2: U2.61 U2.62 U2#2.61 U2#2.62 U3.38 U3#2.38
/INJECTOR-3: U2.63 U2.64 U2#2.63 U2#2.64 U3.41 U3#2.41
/INJECTOR-4: U2.65 U2.66 U2#2.65 U2#2.66 U3.42 U3#2.42
/LINBUS: R10.2 R10#2.2 U2.82 U2#2.82 U3.LIN1 U3#2.LIN1
/LS1: D15.2 D15#2.2 U2.92 U2.93 U2.94 U2#2.92 U2#2.93 U2#2.94 U3.7 U3#2.7
/LS2: D20.2 D20#2.2 R36.2 R36#2.2 U2.83 U2.84 U2.85 U2#2.83 U2#2.84 U2#2.85 U3.3 U3#2.3
/MAIN_RELAY: D1.2 D1#2.2 U2.55 U2#2.55 U3.29 U3#2.29
/MCU/BOOT0: R45.1 R45#2.1 SW1.2 SW1#2.2 SW4.2 SW4#2.2 U1.94 U1#2.94
/MCU/PA10: D16.1 D16#2.1 J1.4 J1#2.4 J19.1 J19#2.1 U1.69 U1#2.69
/MCU/PA13: J2.9 J2#2.9 J7.2 J7#2.2 U1.72 U1#2.72 U3.J209 U3#2.J209
/MCU/PA14: J2.5 J2#2.5 J7.4 J7#2.4 U1.76 U1#2.76 U3.J205 U3#2.J205
/MCU/PB2-BOOT1: NT2.2 NT2#2.2 U1.37 U1#2.37
/MCU/PB7: U1.93 U1#2.93 U3.J18 U3#2.J18
/MCU/PB10: U1.47 U1#2.47 U6.3 U6#2.3 U11.9 U11#2.9
/MCU/PB13: U1.52 U1#2.52 U6.6 U6#2.6 U11.16 U11#2.16
/MCU/PB14: U1.53 U1#2.53 U6.2 U6#2.2 U11.8 U11#2.8
/MCU/PB15: U1.54 U1#2.54 U6.5 U6#2.5 U11.15 U11#2.15
/MCU/PC7: R16.1 R16#2.1 U1.64 U1#2.64 U4.12 U4#2.12
/MCU/PC9: U1.66 U1#2.66 U4.3 U4#2.3
/MCU/PC13: U1.7 U1#2.7 U3.J9 U3#2.J9
/MCU/PD0: U1.81 U1#2.81 U3.J16 U3#2.J16
/MCU/PE0: U1.97 U1#2.97 U3.J6 U3#2.J6
/MCU/PE5: U1.4 U1#2.4 U3.J11 U3#2.J11
/MCU/PE6: U1.5 U1#2.5 U3.J10 U3#2.J10
/MCU/shield: C37.1 C37#2.1 J1.6 J1#2.6 R47.1 R47#2.1
/MCU/USB_VBUS: D7.1 D7#2.1 D14.2 D14#2.2 D16.4 D16#2.4 D17.2 D17#2.2 J1.1 J1#2.1 J19.4 J19#2.4 NT1.2 NT1#2.2
/MCU/Vrtc: D42.2 D42#2.2 U3.J31 U3#2.J31
/MCU/Vrtcc: D42.3 D42#2.3 U1.6 U1#2.6
/PA15: J4.7 J4#2.7 U1.77 U1#2.77 U3.J807 U3#2.J807
/PB8: J4.3 J4#2.3 U1.95 U1#2.95 U3.J803 U3#2.J803
/PB9: J4.6 J4#2.6 U1.96 U1#2.96 U3.J806 U3#2.J806
/PC10: J4.8 J4#2.8 U1.78 U1#2.78 U3.J808 U3#2.J808
/PC11: J4.5 J4#2.5 U1.79 U1#2.79 U3.J805 U3#2.J805
/PC12: J4.10 J4#2.10 U1.80 U1#2.80 U3.J810 U3#2.J810
/PD12: U1.59 U1#2.59 U2.32 U2#2.32
/PD13: U1.60 U1#2.60 U2.33 U2#2.33
/PD14: U1.61 U1#2.61 U2.34 U2#2.34
/PD15: U1.62 U1#2.62 U2.35 U2#2.35
/PE1: D27.2 D27#2.2 U1.98 U1#2.98
/PE2: D23.2 D23#2.2 U1.1 U1#2.1
/PE3: D21.2 D21#2.2 U1.2 U1#2.2
/PE4: D22.2 D22#2.2 U1.3 U1#2.3
/RST: C20.2 C20#2.2 J2.10 J2#2.10 J7.3 J7#2.3 R2.2 R2#2.2 R43.2 R43#2.2 SW2.1 SW2#2.1 SW3.1 SW3#2.1 U1.14 U1#2.14 U3.J210 U3#2.J210
/SCK: J2.6 J2#2.6 J7.6 J7#2.6 U1.89 U1#2.89 U2.7 U2#2.7 U3.J206 U3#2.J206
/SI: U1.91 U1#2.91 U2.5 U2#2.5
/SO: U1.90 U1#2.90 U2.4 U2#2.4
/TLE8888-1QK/BAT_STBY: C43.1 C43#2.1 D1.3 D1#2.3 U2.53 U2#2.53
/TLE8888-1QK/CAN_RX: U1.51 U1#2.51 U2.43 U2#2.43
/TLE8888-1QK/CAN_TX: U1.92 U1#2.92 U2.44 U2#2.44
/TLE8888-1QK/IGN_EN: R82.1 R82#2.1 U1.57 U1#2.57 U2.27 U2#2.27
/TLE8888-1QK/IGN_OUT_1: R21.2 R21#2.2 U2.96 U2#2.96 U3.J51 U3#2.J51
/TLE8888-1QK/IGN_OUT_2: R33.2 R33#2.2 U2.97 U2#2.97 U3.J52 U3#2.J52
/TLE8888-1QK/IGN_OUT_3: R80.2 R80#2.2 U2.98 U2#2.98 U3.J53 U3#2.J53
/TLE8888-1QK/IGN_OUT_4: R81.2 R81#2.2 U2.99 U2#2.99 U3.J54 U3#2.J54
/TLE8888-1QK/IN_9: U1.41 U1#2.41 U2.36 U2#2.36
/TLE8888-1QK/IN_10: U1.40 U1#2.40 U2.37 U2#2.37
/TLE8888-1QK/IN_11: U1.39 U1#2.39 U2.38 U2#2.38
